# Altium PCB MainBoard_Layout_V2.PcbDoc (part 2 of 3) (continued)
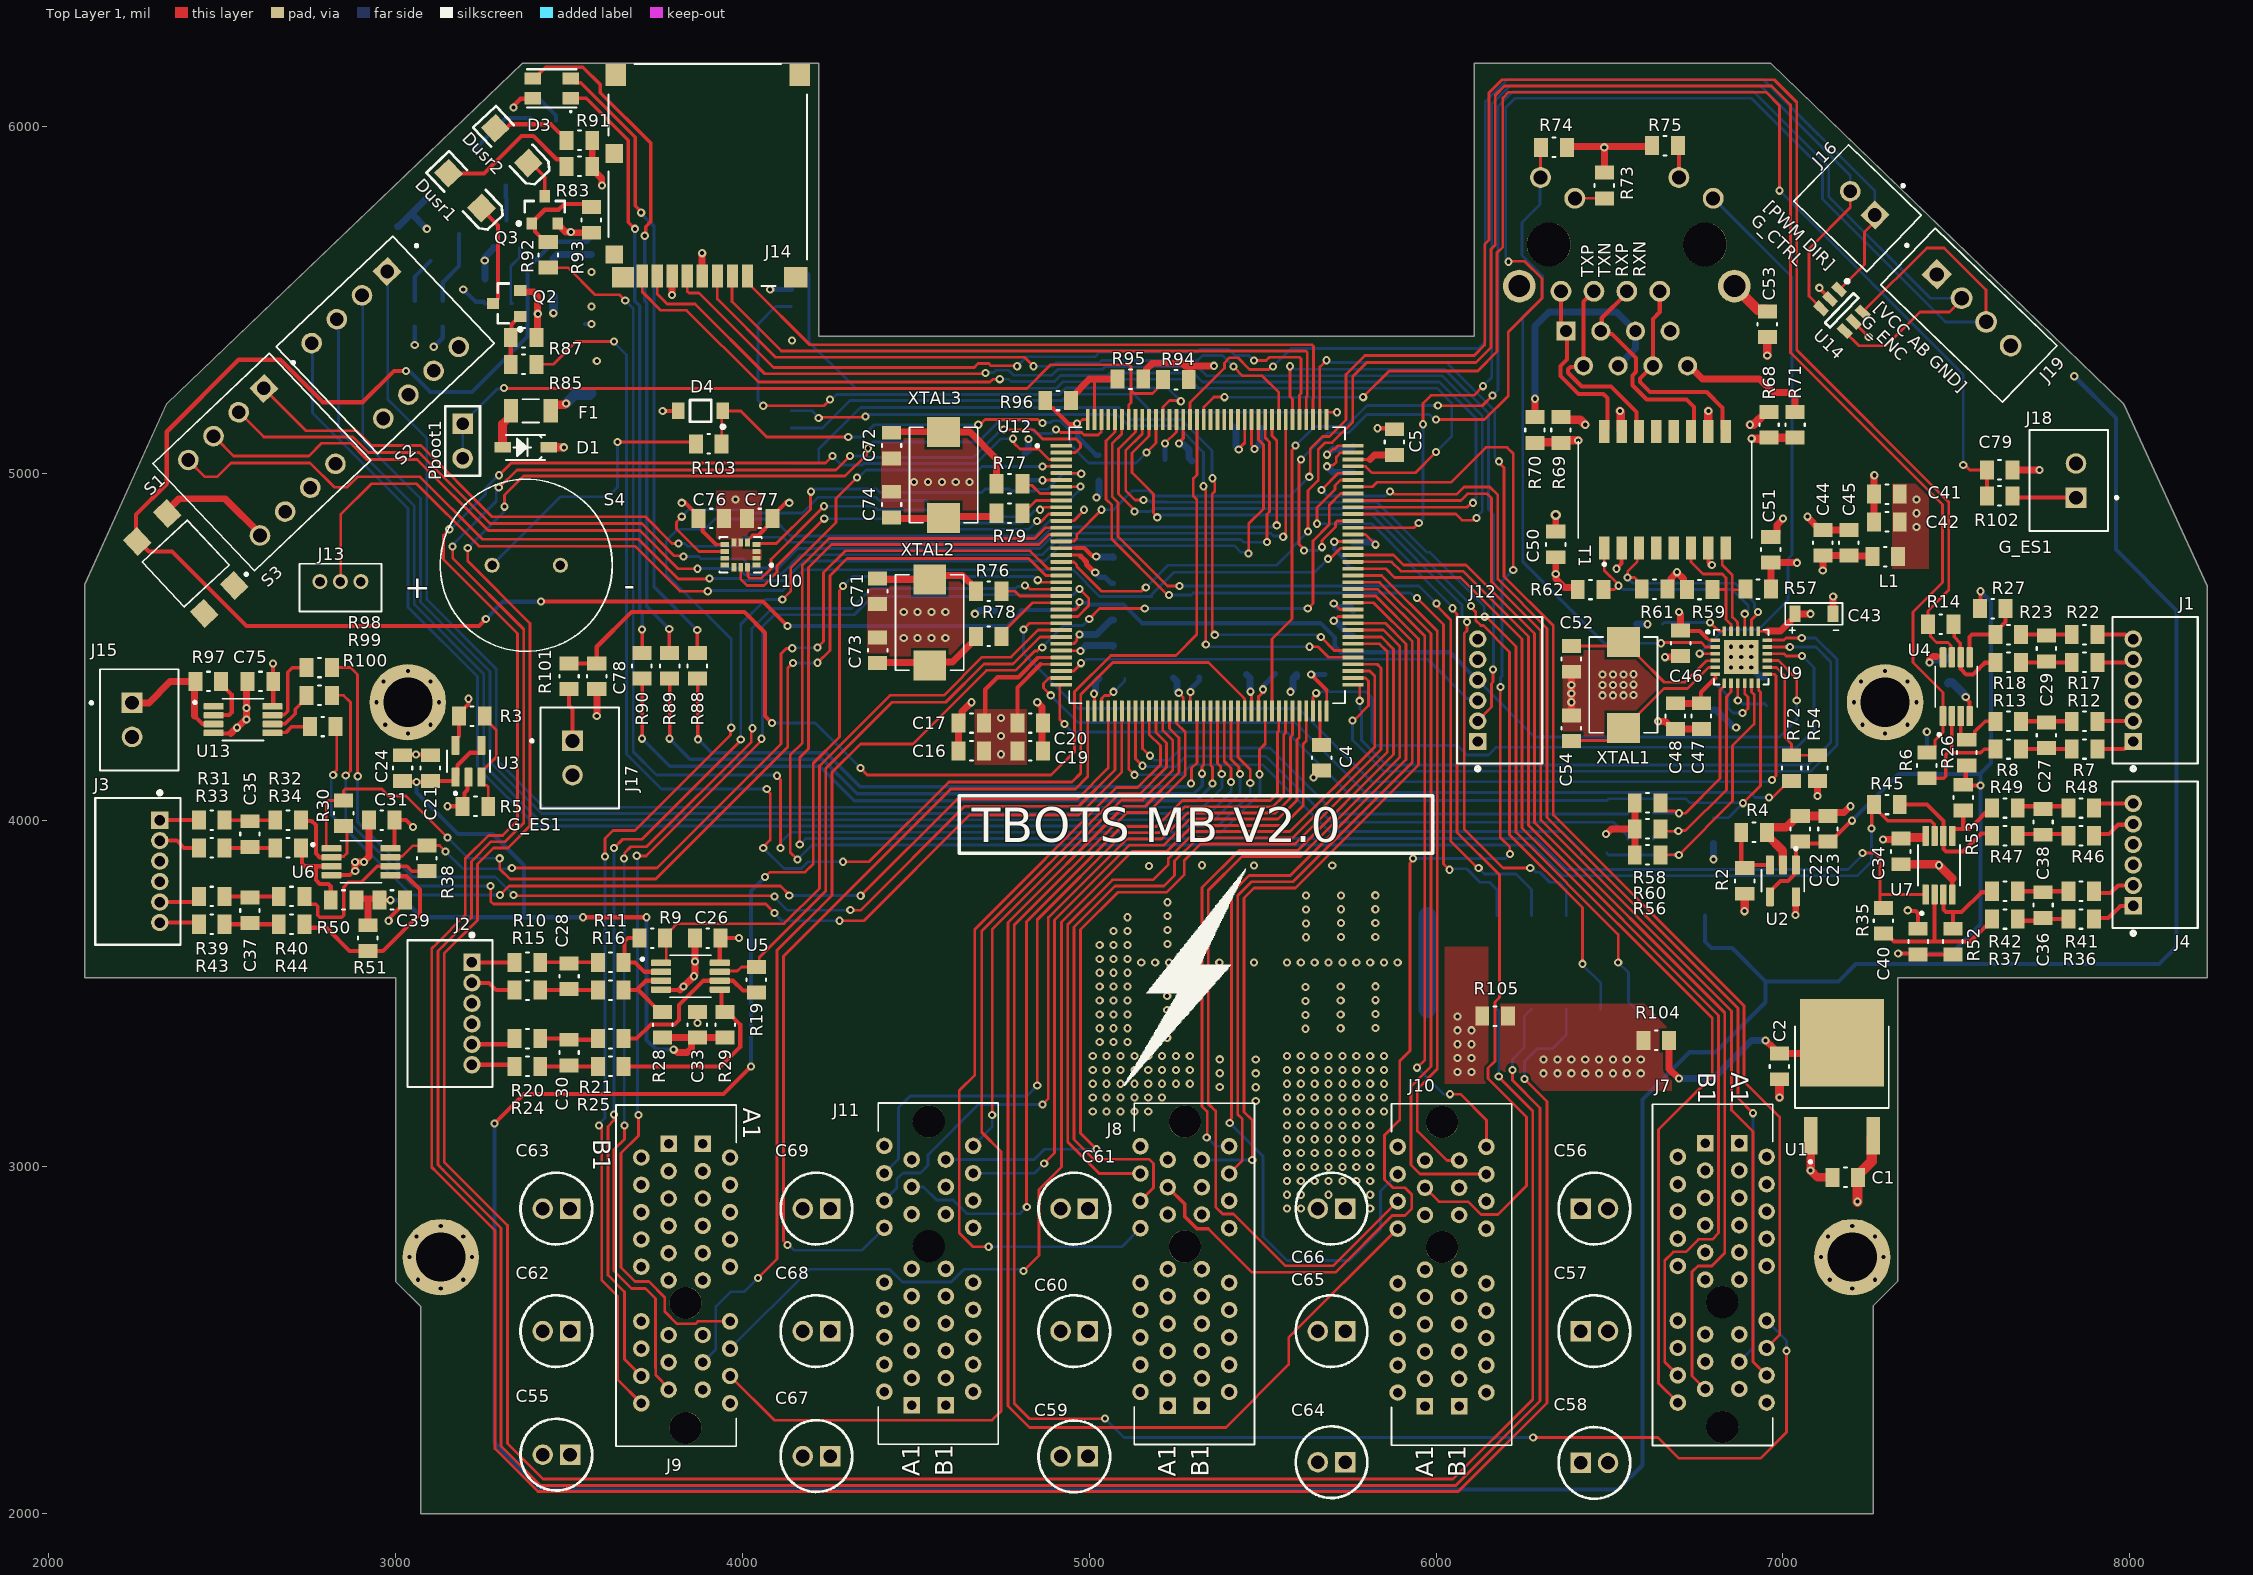
[diagram p0: Top Layer 1 view]
## Nets (pads, with @x,y where several pads share a name; then routed paths per layer and width w, separated by ;. In a path a pad name is that pad's centre, name@x,y a point inside that pad or via, vN(x,y) a via of type N, cw(c..) or ccw(c..) an arc to the next point about the centre after c; other vN are vias at no path point) (continued)
  other v2: 3580.1,5323.6 4143.25,5383.25 3564.34,5480.72 3564.34,5580.72
LA: J5.9 R74.1 U9.2 | length 1924
  Top Layer 1 w8: J5.9@6300.98,5852.91 6300.98,5937.98 R74.1@6303,5940 ; v2(6648.27,4510) 6650.21,4511.94 6764.78,4511.94 6777.19,4499.53 U9.2@6805.2,4499.53
  Bottom Layer 1 w8: J5.9@6300.98,5852.91 6300,5851.93 6300,5775 6248.01,5723.01 6248.01,5628.11 6306.69,5569.43 6306.69,5506.69 6250,5450 6250,4745 6485,4510 v2(6648.27,4510)
LAN_VDD1A: C43.1 C44.2 C45.2 C46.1 C50.2 C51.2 L1.2 R57.1 R59.1 R61.1 R62.1 T1.2 T1.7 U9.1 U9.19 | length 1064.6
  Top Layer 1 w8: 6780,4525 6785.36,4519.64 6804.77,4519.64 U9.1@6805.2,4519.21 ; U9.19@6929.21,4544.8 6954.8,4544.8 6955,4545
  Top Layer 1 w12: v2(6520,4725) 6535,4740 T1.2@6535,4785 ; v2(6700,4600) v2@6705,4595 ; C46.1@6705,4547 6707,4545 6760.11,4545 6760.11,4544.89 6780,4525 ; T1.7@6785,4785 6785,4743.03 6792.03,4736 v2(6795,4736)
  Top Layer 1 w20: C50.2@6345,4758 v2(6345,4710) 6345.77,4709.23 6345.77,4695.45 6370.12,4671.09 6402.31,4671.09 R62.1@6408.41,4665 ; R61.1@6667.09,4666.07 6677.09,4676.07 6677.09,4697.09 v2(6695,4715) 6695,4714.02 6713,4696.02 6713,4675 R59.1@6723,4665 ; C46.1@6705,4547 v2@6705,4595 ; 6955,4545 6992.64,4545 7034.76,4587.13 C43.1@7034.76,4595 v2(7080,4595) ; R57.1@6965.69,4666.18 6965.34,4666.53 6965.34,4742.66 C51.2@6965,4743 7038.46,4743 7039.45,4742.01 v2(7040.53,4742.01) ; v2(7115,4720) C44.2@7115,4763 C45.2@7190,4763 7191.5,4761.5 7256.5,4761.5 L1.2@7258,4760
LC: J5.10 R73.1 | length 85
  Top Layer 1 w8: J5.10@6400,5793.07 6484.93,5793.07 R73.1@6485,5793
NetC27_1: C27.1 R7.1 R8.2 | length 148.5
  Top Layer 1 w12: R8.2@7687,4205 7757,4205 C27.1@7760,4208 7763,4205 R7.1@7833,4205
NetC27_2: C27.2 R12.1 R13.2 | length 148.5
  Top Layer 1 w8: C27.2@7757,4285 C27.2@7760,4282 C27.2@7763,4285
  Top Layer 1 w12: R13.2@7687,4285 C27.2@7757,4285 ; C27.2@7763,4285 R12.1@7833,4285
NetC28_1: C28.1 R10.1 R11.2 | length 168.5
  Top Layer 1 w10: R10.1@3417,3590 3497,3590 C28.1@3500,3587 3503,3590 R11.2@3583,3590
NetC28_2: C28.2 R15.1 R16.2 | length 166
  Top Layer 1 w12: R15.1@3417,3510 R16.2@3583,3510
NetC29_1: C29.1 R17.1 R18.2 | length 148.5
  Top Layer 1 w12: R18.2@7687,4455 7757,4455 C29.1@7760,4458 7763,4455 R17.1@7833,4455
NetC29_2: C29.2 R22.1 R23.2 | length 148.5
  Top Layer 1 w12: R23.2@7687,4535 7757,4535 C29.2@7760,4532 7763,4535 R22.1@7833,4535
NetC30_1: C30.1 R20.1 R21.2 | length 176.9
  Top Layer 1 w12: R20.1@3417,3370 3487,3370 3497,3360 C30.1@3500,3357 ; C30.1@3503,3370 C30.1@3500,3367 3580,3367 R21.2@3583,3370
NetC30_2: C30.2 R24.1 R25.2 | length 160.2
  Top Layer 1 w12: R24.1@3417,3290 C30.2@3493,3290 ; C30.2@3500,3293 3503,3290 R25.2@3583,3290
NetC35_1: C35.1 R31.1 R32.2 | length 156
  Top Layer 1 w10: R31.1@2507,4000 R32.2@2653,4000 R32.2@2663,4000
NetC35_2: C35.2 R33.1 R34.2 | length 152.7
  Top Layer 1 w12: R33.1@2510,3923 R33.1@2507,3920 2577,3920 C35.2@2580,3923 2583,3920 R34.2@2653,3920
NetC36_1: C36.1 R36.1 R37.2 | length 152.6
  Top Layer 1 w12: R37.2@7677,3715 7682,3710 7742,3710 C36.1@7750,3718 7753,3715 R36.1@7823,3715
NetC36_2: C36.2 R41.1 R42.2 | length 148.5
  Top Layer 1 w12: R42.2@7677,3795 7747,3795 C36.2@7750,3792 7753,3795 R41.1@7823,3795
NetC37_1: C37.1 R39.1 R40.2 | length 158.5
  Top Layer 1 w12: R39.1@2507,3780 2577,3780 C37.1@2580,3777 2583,3780 R40.2@2663,3780
NetC37_2: C37.2 R43.1 R44.2 | length 158.5
  Top Layer 1 w12: R43.1@2507,3700 2577,3700 C37.2@2580,3703 2583,3700 R44.2@2663,3700
NetC38_1: C38.1 R46.1 R47.2 | length 148.5
  Top Layer 1 w12: R47.2@7677,3960 7747,3960 7750,3963 7753,3960 R46.1@7823,3960
NetC38_2: C38.2 R48.1 R49.2 | length 146
  Top Layer 1 w12: R49.2@7677,4040 7750,4040 R48.1@7823,4040
NetC47_2: C47.2 C48.2 U9.6 | length 174.7
  Top Layer 1 w8: 6805,4410 6805,4420.59 U9.6@6805.2,4420.79
  Top Layer 1 w12: C47.2@6763.78,4337 6763.78,4368.78 6805,4410
  Top Layer 1 w20: C48.2@6690,4337 C47.2@6763.78,4337
NetC52_2: C52.2 U9.4 XTAL1.2 | length 495.7
  Top Layer 1 w8: C52.2@6390,4502 6527.98,4502 XTAL1.2@6540,4514.02 6543.94,4514.02 6583.24,4474.71 6583.24,4472.33 6657.99,4397.58 6717.45,4397.58 6779.65,4459.79 6804.83,4459.79 U9.4@6805.2,4460.16
NetC53_2: C53.2 R68.2 R69.2 R70.2 R71.2 | length 1092.2
  Top Layer 1 w25: R70.2@6293,5090 6362,5090 R69.2@6360,5088 6367,5095 v2(6410,5095) ; v2(6910,5100) 6957,5100 R68.2@6960,5103 7029,5103 7032,5100 R71.2@7035,5103 R71.2@7042.5,5103 ; v2(6955,5340) C53.2@6955,5393
  Bottom Layer w25: v2(6410,5095) 6411.81,5096.81 6906.81,5096.81 v2(6910,5100) 6940,5100 6955,5115 v2(6955,5340)
NetC54_2: C54.2 U9.5 XTAL1.1 | length 499.6
  Top Layer 1 w8: C54.2@6390,4228 6392,4230 6504.02,4230 XTAL1.1@6540,4265.98 ; XTAL1.1@6543.94,4265.98 6583.24,4305.29 6583.24,4305.84 6656.98,4379.58 6724.9,4379.58 6785.42,4440.1 6804.83,4440.1 U9.5@6805.2,4440.47
NetC70_2: C70.2 J12.4 S1.4 U9.15 U11.31 U12.25 | length 7539.9
  Top Layer 1 w8: U12.25@4919.53,4607.05 4919.67,4607.19 4961.73,4607.19 4969.17,4614.63 4969.17,4625.94 v1(4972.24,4629.01) ; U9.15@6954.8,4460.16 6986.86,4460.16 7040,4407.01 v2(7040,4345)
  Top Layer 1 w12: S1.4@2251.8,4808.2 2252.46,4808.86 2252.46,4838.09 2251.8,4838.75 2251.8,4881.8 2340,4970 2340,5120 2547.5,5327.5 2667.5,5327.5 2790,5205 2905,5205 2995,5295 v2(3030,5295) ; S1.4@2255.15,4803.38 2259.78,4803.38 2288.16,4775 2355,4775 2570,4560 3240,4560 v1(3260,4580) ; v1(3419.17,4630.27) 4059.73,4630.27 v3(4130,4560)
  Bottom Layer 1 w8: J12.4@6120,4404.06 6284.06,4240 6990,4240 7040,4290 v2(7040,4345)
  Bottom Layer 1 w12: v2@3028.8,5295 3031.1,5292.7 3042.3,5292.7 3100,5235 3220,5235 3380,5395 3380,5591.38 3456.41,5667.79 3551.41,5667.79 U11.31@3564.34,5680.72 ; v1(3260,4580) 3310,4630 3418.89,4630 v1(3419.17,4630.27) ; v3(4130,4560) 4764.5,4560 4802,4597.5 C70.2@4802,4605 4802.89,4605.89 4954.97,4605.89 4964.47,4615.4 4964.47,4616.91 4972.24,4624.68 v1@4972.24,4628.22 ; v1(4972.24,4629.01) v1@4972.24,4628.22 ; J12.4@6115,4404.06 6115,4409.06 6040,4484.06 5725.94,4484.06 5707.97,4502.03 5707.97,4527.03 5667,4568 5152,4568 5098.39,4621.61 5000.12,4621.61 4995.72,4626.02 4983.44,4626.02 4982.68,4626.78 4973.67,4626.78 v1@4972.24,4628.22
NetD1_A: D1.A F1.2 | length 110.2
  Top Layer 1 w25: D1.A@3308,5080 3308,5142.29 3332.52,5166.81 F1.2@3332.52,5180
NetD3_1: D3.1 R90.2 | length 1711.1
  Top Layer 1 w10: D3.1@3505.12,6081.46 3549.65,6081.46 3670.46,5960.65 3670.46,5724.54 v1(3690,5705) ; R90.2@3710,4482 3710.81,4482.81 v3(3710.81,4550)
  Bottom Layer 1 w10: v1(3690,5705) 3690,5496.87 3704,5482.87 3704,4607.72 3710.81,4600.91 v3(3710.81,4550)
NetD3_3: D3.3 R89.2 | length 1986.2
  Top Layer 1 w10: D3.3@3394.88,6138.54 3400.79,6138.54 3413.5,6151.26 3413.5,6152.21 3432.55,6171.26 3539.67,6171.26 3589.73,6121.2 3589.73,6097.95 3735,5952.68 3735,5724.98 3720.8,5710.77 3720.8,5687.61 v1(3718.19,5685) ; v3(3788.91,4551.09) 3788.91,4483.09 R89.2@3790,4482 3792,4482 R89.2@3805,4495
  Bottom Layer 1 w10: v1(3718.19,5685) 3718.19,5496.96 3724,5491.15 3724,4616 v3(3788.91,4551.09)
NetD3_4: D3.4 R88.2 | length 1819.4
  Top Layer 1 w10: D3.4@3505.12,6138.54 3517.83,6125.83 3533.57,6125.83 3557.94,6101.46 3690.46,5968.93 3690.46,5771.75 3708,5754.21 v1(3708,5751.57) ; v3(3869.77,4548.2) 3869.77,4482.23 R88.2@3870,4482
  Bottom Layer 1 w10: v1(3708,5751.57) 3708,5749 3745,5712 3745,4672.97 v3@3871.51,4546.46
NetD4_1: D4.1 R103.2 U12.134 | length 1539
  Top Layer 1 w8: R103.2@3940,5085 3940,5176.26 D4.1@3943.74,5180 3995,5180 4070,5105 v1(4305,5105) ; v1(4680,5140) 4684.23,5140 4699.23,5155 4852.5,5155 4862.5,5145 v1(4865,5145) ; v1(5165,5060) 5192.19,5087.19 U12.134@5192.19,5125.36
  Bottom Layer 1 w8: v1(4305,5105) 4345,5105 4380,5140 v1(4680,5140) ; v1(4865,5145) 4866.91,5146.91 4888.81,5146.91 4893.71,5151.81 4915.09,5151.81 4945.06,5121.84 4945.06,5082.64 4997.7,5030 5135,5030 v1(5165,5060)
NetDled1_1: Dled1.1 R1.1 | length 211.4
  Bottom Layer 1 w12: R1.1@3135.86,5497.86 3135.86,5550.86 3182.43,5597.43 Dled1.1@3182.43,5690.02
NetDled2_1: Dled2.1 R81.1 | length 204.8
  Bottom Layer 1 w12: Dled2.1@3222.57,5929.98 3317.6,6025 R81.1@3388,6025
NetDled2_2: Dled2.2 Q1.3 | length 101.7
  Bottom Layer 1 w12: Dled2.2@3317.43,5830.02 3317.43,5795.67 3320,5793.1 Q1.3@3320,5729.37
NetDled3_1: Dled3.1 R82.1 | length 134
  Bottom Layer 1 w12: R82.1@3055,5497 3055,5566.48 Dled3.1@3100.64,5612.11
NetDusr1_1: Dusr1.1 R83.2 | length 425.9
  Top Layer 1 w12: Dusr1.1@3152.57,5864.98 3254.98,5864.98 3362.98,5972.98 3397.02,5972.98 3464.52,5905.48 3479,5905.48 3494.13,5890.35 R83.2@3494.13,5885
NetDusr1_2: Dusr1.2 Q2.3 | length 301.8
  Top Layer 1 w12: Dusr1.2@3247.43,5765.02 3247.43,5762.57 3295,5715 3295,5504.37 3292.35,5501.72 3292.35,5499.75 3282.6,5490 Q2.3@3280.63,5490
NetDusr2_1: Dusr2.1 R91.2 | length 233.7
  Top Layer 1 w12: Dusr2.1@3287.57,5994.98 3318.99,5994.98 3330.35,6006.34 3448.16,6006.34 3472.99,5981.5 3479,5981.5 3493,5967.5 R91.2@3493,5960
NetDusr2_2: Dusr2.2 Q3.3 | length 109
  Top Layer 1 w10: Dusr2.2@3388.72,5896.28 3430,5855 Q3.3@3430,5804.37
NetF1_1: F1.1 U11.22 | length 140.8
  Top Layer 1 w25: F1.1@3447.48,5180 3447.48,5189.35 3455.65,5197.52 3487.52,5197.52 v2(3491.74,5201.74)
  Bottom Layer 1 w30: v2@3493.62,5203.62 3493.62,5203.82 3516.59,5226.79 3560.41,5226.79 U11.22@3564.34,5230.72
NetJ5_4: J5.4 J5.5 R70.1 | length 713.1
  Top Layer 1 w20: R70.1@6285,5162 v2(6285,5215)
  Bottom Layer 1 w20: v2(6285,5215) 6285,5425 6325,5465 6520,5465 J5.5@6575,5410 6575,5360 J5.4@6525,5310
NetJ5_8: J5.8 R71.1 | length 390.7
  Top Layer 1 w20: J5.8@6725,5310 6730.35,5310 6768.35,5272 6933,5272 6972.5,5232.5 7023.28,5232.5 7035,5220.78 R71.1@7035,5177
NetJ6_21: J6.21 U12.142 | length 9202.4
  Top Layer 1 w8: v1(3207.91,4785.04) 3207.91,4747.09 3387.39,4567.61 3387.39,3983.89 3323.5,3920 3282.7,3920 3236.43,3873.72 3236.43,3711.43 3140,3615 3140,3014 3322.2,2831.8 3322.2,2202.8 3425,2100 6049.09,2100 6278.85,2329.77 6278.85,3161.15 6180.75,3259.25 v2(6180.75,3260.75) ; v1(3313.79,4903.95) 3313.79,4937.02 3368.77,4992 4295.74,4992 4358.62,5054.88 4358.62,5069.33 v1(4361.61,5072.32) ; v1(4904.4,5126) 4908.73,5126 4917.06,5117.67 4978.1,5117.67 4985.01,5110.76 5025.7,5110.76 5034.71,5119.77 5034.71,5155.3 U12.142@5034.88,5155.47
  Bottom Layer 1 w8: v1(3207.91,4785.04) 3310.73,4887.87 3310.73,4900.89 v1(3313.79,4903.95) ; v1(4361.61,5072.32) 4361.61,5074.87 4376.74,5090 4680,5090 4741.83,5151.83 4808.17,5151.83 4845,5115 4891.9,5115 4902.9,5126 v1(4904.4,5126) ; J6.21@6175,3455 6180.75,3449.25 v2(6180.75,3260.75)
NetJ6_22: J6.22 U12.140 | length 2378.1
  Top Layer 1 w8: U12.140@5074.25,5155.47 5074.08,5155.3 5074.08,5119.77 5048,5093.69 5048,4925.32 5065,4908.32 5065,4810 5226,4649 v1(5230,4649) ; v2(5945.16,4640.22) 6021.47,4563.91 6021.47,3874.12 6038.36,3857.22 v2(6038.36,3857.07)
  Bottom Layer 1 w8: v1(5230,4649) 5294,4649 5300,4655 5926.05,4655 5940.64,4640.41 5944.97,4640.41 v2(5945.16,4640.22) ; v2(6038.36,3857.07) 6041.09,3859.79 6088.35,3859.79 6127.15,3821 6154,3821 6175,3800 J6.22@6175,3725
NetJ6_23: J6.23 U12.2 | length 9273.9
  Top Layer 1 w8: v1(3164,4789.34) 3165,4788.34 3165,4755 3369.39,4550.61 3369.39,3991.35 3316.05,3938 3275.25,3938 3218.43,3881.18 3218.43,3718.88 3137,3637.46 3122,3622.46 3122,3006.55 3137,2991.55 3304.2,2824.34 3304.2,2195.34 3417.54,2082 6056.54,2082 6300,2325.46 6300,3170 6220,3250 v2(6220,3280) ; v1(3297.47,4958.78) 3298.51,4958.78 3349.73,5010 4270,5010 v4(4310,5050) ; v2(4753.69,5126.02) 4838.99,5126.02 4866,5099 4961.31,5099 4975,5085.31 4975,5074.69 4960.29,5059.98 4919.7,5059.98 U12.2@4919.53,5059.8
  Bottom Layer 1 w8: v1(3164,4789.34) 3164,4793.47 3290,4919.47 3290,4946.98 3297.47,4954.45 v1(3297.47,4958.78) ; v4(4310,5050) 4343.86,5050 4347.86,5046 4666,5046 4742.96,5122.96 4750.63,5122.96 v2(4753.69,5126.02) ; v2(6220,3280) 6220,3310 6254,3344 6254,3434 J6.23@6275,3455
NetJ6_24: J6.24 U12.139 | length 2422.8
  Top Layer 1 w8: U12.139@5093.94,5155.47 5093.76,5155.3 5093.76,5114 5066,5086.24 5066,4932.77 5083,4915.77 5083,4817.46 5225.46,4675 v1(5260,4675) ; v2(6000.93,4625) 6000.93,4620.67 6006.94,4614.67 6006.94,4613.06 6042,4578 6042,3939.57 6119.39,3862.17 v2(6122.74,3862.17)
  Bottom Layer 1 w8: v1(5260,4675) 5950.93,4675 v2(6000.93,4625) ; v2(6122.74,3862.17) 6122.74,3861.77 6139.51,3845 6230,3845 6275,3800 J6.24@6275,3725
NetJ6_25: J6.25 U12.3 | length 9312.7
  Top Layer 1 w8: v1(3154.57,4838.57) 3154.57,4837.77 3138,4821.2 3138,4752 3351.39,4538.61 3351.39,3998.8 3308.59,3956 3267.79,3956 3200.43,3888.64 3200.43,3726.34 3119,3644.91 3104,3629.91 3104,2999.09 3119,2984.09 3286.2,2816.89 3286.2,2187.88 3410.09,2064 6064,2064 6320,2320 6320,3188.69 v2(6254.93,3253.76) ; v1(3297.64,4994.41) 3333.23,5030 4239.66,5030 v2(4259.5,5049.83) ; v2(4780,5100.02) 4780,5095.79 4783.83,5091.96 4783.83,5086.17 4800,5070 4854.12,5070 4883.83,5040.29 4919.35,5040.29 U12.3@4919.53,5040.12
  Bottom Layer 1 w8: v1(3154.57,4838.57) 3158.57,4838.57 3260,4940 3260,4958.08 3296.33,4994.41 v1(3297.64,4994.41) ; v2(4259.5,5049.83) 4285.14,5024.19 4345.49,5024.19 4349.3,5028 4673.46,5028 4745.47,5100.02 v2(4780,5100.02) ; v2(6254.93,3253.76) 6254.93,3304.93 6291,3341 6336,3341 6375,3380 J6.25@6375,3455
NetJ6_26: J6.26 U12.135 | length 2419.4
  Top Layer 1 w8: U12.135@5172.68,5155.47 5172.5,5155.3 5172.5,5108.23 5123,5058.73 5123,5002 5185,4940 5185,4885.69 5196.02,4874.66 v1(5196.02,4873.19) ; v1(6088.78,4571.83) 6088.78,4546.1 6081,4538.32 6081,3974 6193.06,3861.94 v2(6271.56,3861.94)
  Bottom Layer 1 w8: v1(5196.02,4873.19) 5200.25,4873.19 5207.06,4880 5645.32,4880 5645.93,4880.61 5814.84,4880.61 6074.8,4620.65 6074.8,4590.04 6088.78,4576.05 v1(6088.78,4571.83) ; v2(6271.56,3861.94) 6275.78,3861.94 6287.82,3849.91 6298.85,3849.91 6327.76,3821 6354,3821 6375,3800 J6.26@6375,3725
NetJ6_27: J6.27 U12.137 | length 2719.3
  Top Layer 1 w8: v1(5130,4890) 5130,4894.23 5084,4940.23 5084,5070.64 5133.13,5119.77 5133.13,5155.3 U12.137@5133.31,5155.47 ; v2(6101.06,4617.22) 6101.06,4613 6114.26,4599.8 6114.26,4575.99 6129.08,4561.17 6136.15,4561.17 6212.07,4485.25 6212.07,3957.93 6422.07,3747.93 v2(6422.07,3585.84)
  Bottom Layer 1 w8: v1(5130,4890) 5176.33,4890 5185.33,4899 5215.09,4899 5215.47,4898.61 5822.3,4898.61 6101.06,4619.85 v2(6101.06,4617.22) ; v2(6422.07,3585.84) 6422.07,3582.93 6475,3530 J6.27@6475,3455
NetJ6_29: J6.29 U12.136 | length 2741.5
  Top Layer 1 w8: U12.136@5152.99,5155.47 5152.99,5128.94 5152.82,5128.76 5152.82,5114 5105,5066.18 5105,4950 5131.86,4923.14 v1(5156.56,4923.14) ; v1(6140.07,4586.68) 6143.78,4586.68 6230.07,4500.39 6230.07,3965.39 6525,3670.46 v2(6525,3590)
  Bottom Layer 1 w8: v1(5156.56,4923.14) 5159.55,4920.15 5174.4,4920.15 5177.54,4917 5222.54,4917 5222.93,4916.61 5586.07,4916.61 5829.75,4916.61 5974.07,4772.29 5982.71,4772.29 6139.2,4615.8 6139.2,4587.55 v1(6140.07,4586.68) ; v2(6525,3590) 6554.51,3560.49 6554.51,3475.49 J6.29@6575,3455
NetJ6_34: J6.34 R84.2 U12.21 | length 19550.4
  Top Layer 1 w8: v3(4065,3836) 4079,3850 4180,3850 4204.06,3874.06 4204.06,4164.06 4280,4240 4280,4662.31 4290,4672.31 v3(4290,4675) ; v1(4851.58,4691.91) 4855.81,4691.91 4861.94,4685.79 U12.21@4919.53,4685.79
  Top Layer 1 w12: v2(3285,3125) 3370,3210 3945,3210 v2(4025,3290)
  Bottom Layer w16: v2(3195,5530) 2990,5735 2990,5800 3370,6165 4175,6165 4205,6135 4205,5389.37 4214.37,5380 6115.63,5380 6125,5389.37 6125,6155.63 6134.37,6165 6965.17,6165 6969.82,6160.5 7838.47,5320 7838.47,5281.53 v2(7840,5280)
  Bottom Layer 1 w8: v3(4290,4675) 4317.31,4702.31 4839.09,4702.31 4849.49,4691.91 v1(4851.58,4691.91)
  Bottom Layer 1 w12: v2(3195,5530) 3230,5495 3253,5495 R84.2@3258,5490 ; v2(3285,3125) 3285,2205 3420,2070 6525,2070 6595,2140 6595,3195 6730.93,3330.93 6805.93,3330.93 6950,3475 6950,3535 ; v2(4025,3290) 4025,3796 v3(4065,3836) ; J6.34@6775,3725 6775,3650 6794,3631 6854,3631 6950,3535 ; v2(7840,5280) 7960,5160 7960,4780 8135,4605 8135,3635 8085,3585 7210,3585 7160,3535 6950,3535
NetJ7_A12: J7.A12 U12.50 | length 4916.1
  Top Layer 1 w8: v2(5045,2275) 5044,2274 4828.1,2274 4783.43,2318.67 4783.43,3697.08 5108.35,4022 5168.94,4022 5277,4130.06 5277,4253.42 5251.59,4278.83 5251.59,4314.35 U12.50@5251.42,4314.53 ; v2(6280,2220) 6640,2220 6700,2160 6935,2160 7010,2235 v2(7010,2470)
  Bottom Layer 1 w8: v2(5045,2275) 5100,2220 v2(6280,2220) ; J7.A12@6952.95,2556.85 7010,2499.8 v2(7010,2470)
NetJ7_A14: J7.A14 U12.110 | length 3788.4
  Top Layer 1 w8: U12.110@5664.8,5155.47 5664.8,5306.8 v2(5684,5326) ; v2(6181.38,5034.62) 6181.38,5030.67 6196,5016.06 6196,4702.53 6338.07,4560.46 6338.07,4015.14 6888.17,3465.04 6888.17,3246.83 6990.73,3144.27 6990.73,2515.89 6963.11,2488.27 6963.11,2478.11 J7.A14@6952.95,2478.11
  Bottom Layer 1 w8: v2(5684,5326) 5688.33,5326 5694.33,5320 6030,5320 6168.83,5181.17 6168.83,5047.69 6181.38,5035.13 v2(6181.38,5034.62)
NetJ7_A15: J7.A15 U12.104 | length 3473.8
  Top Layer 1 w8: v1(5669.55,4952.01) 5669.55,4952.36 5717.76,5000.57 5760.3,5000.57 U12.104@5760.47,5000.75 ; v2(5867.27,4948.01) 5871.6,4948.01 5879.6,4940.01 6059.78,4940.01 6080.36,4960.6 6154.86,4960.6 6178,4937.46 6178,4695.07 6320.07,4553 6320.07,4007.68 6870.17,3457.58 6870.17,3198.71 v2(6913.79,3155.09)
  Bottom Layer 1 w8: v1(5669.55,4952.01) 5686.94,4934.61 5853.88,4934.61 v2(5867.27,4948.01) ; J7.A15@6874.21,2438.74 6913.79,2478.31 v2(6913.79,3155.09)
NetJ7_A16: J7.A16 U12.100 | length 3270.1
  Top Layer 1 w8: U12.100@5760.47,4922.01 6071.95,4922.01 6090.94,4941 6147.38,4941 6160,4928.38 6160,4687.61 6302.07,4545.55 6302.07,4000.23 6852.17,3450.13 6852.17,3163.81 6913.79,3102.19 6913.79,2438.54 J7.A16@6952.95,2399.37
NetJ7_B16: J7.B16 U12.91 | length 3076.1
  Top Layer 1 w8: U12.91@5760.47,4744.84 5871.46,4744.84 5898.3,4718 6077.46,4718 6266.07,4529.39 6266.07,3985.32 6814.28,3437.11 6814.28,2809.28 6796.48,2791.48 6756.48,2791.48 6720.29,2755.29 6684.58,2755.29 6659.27,2729.98 6659.27,2437.15 J7.B16@6697.05,2399.37
NetJ7_B17: J7.B17 U12.92 | length 3100.7
  Top Layer 1 w8: U12.92@5760.47,4764.53 5877.23,4764.53 5905.76,4736 6086.16,4736 6284.07,4538.09 6284.07,3992.77 6832.28,3444.56 6832.28,2752.28 6794.8,2714.8 6754.8,2714.8 6738.01,2698.01 6738.01,2397.78 J7.B17@6775.79,2360
NetJ7_B18: J7.B18 U12.90 | length 3087.5
  Top Layer 1 w8: U12.90@5760.47,4725.16 5855,4725.16 5880.16,4700 6070,4700 6248.07,4521.93 6248.07,3977.86 6796.28,3429.65 6796.28,3262.7 6641.27,3107.7 6641.27,2376.41 J7.B18@6697.05,2320.63
NetJ8_A12: J8.A12 U12.46 | length 2355
  Top Layer 1 w8: v2(4710,2770) 4665,2770 4625,2810 4625,3220 4670,3265 4670,3685.47 5078.53,4094 5139.12,4094 5205,4159.88 5205,4215 5172.68,4247.32 U12.46@5172.68,4314.53
  Bottom Layer 1 w8: v2(4710,2770) 5093.94,2770 J8.A12@5147.6,2823.66
NetJ8_A14: J8.A14 U12.76 | length 2438.9
  Top Layer 1 w8: J8.A14@5147.6,2902.4 5147.6,2909.04 5154.24,2909.04 5185.38,2940.18 5185.38,3009.93 5173.21,3022.1 5013.35,3022.1 4956,3079.46 4956,3691.46 5074.54,3810 5215,3810 5246,3841 5246,3881.8 5313.2,3949 5586.26,3949 5841.47,4204.21 5841.47,4438.53 5830.43,4449.57 U12.76@5760.47,4449.57
NetJ8_A15: J8.A15 U12.102 | length 3981.5
  Top Layer 1 w8: 5342.49,2822.51 5468.75,2696.25 5710,2696.25 5873.75,2860 5910,2860 5930,2880 5930,2919.99 5909.99,2940 5875.3,2940 5851.43,2963.86 5851.43,3091.43 5895,3135 5895,3305 5925,3335 5925,3876.89 5933.44,3885.33 v6(5933.44,3889.58) ; U12.102@5760.47,4961.38 5816.38,4961.38 5829.01,4974.01 6042.5,4974.01 6143.49,5075 6205,5075 6222.41,5057.59 v2(6222.41,4721.6) ; v1(6186.07,4383.58) 6185,4382.51 6185,3950 6212.72,3922.28 v2(6212.72,3902.28)
  Top Layer 1 w10: J8.A15@5226.34,2941.77 5275.96,2892.16 5275.96,2857 5310.45,2822.51 5342.49,2822.51
  Bottom Layer 1 w8: v6(5933.44,3889.58) 6200.01,3889.58 v2(6212.72,3902.28) ; v1(6186.07,4383.58) 6186.07,4411.07 6190,4415 6190,4689.19 v2(6222.41,4721.6)
NetJ8_A16: J8.A16 U12.75 | length 2254.4
  Top Layer 1 w8: J8.A16@5147.6,2981.14 5028.86,2981.14 4938,3072 4938,3698.91 5067.09,3828 5183.58,3828 5228,3872.42 5228,3889.25 5305.75,3967 5578.81,3967 5823.47,4211.66 5823.47,4415 5808.59,4429.88 U12.75@5760.47,4429.88
NetJ8_B16: J8.B16 U12.85 | length 2050.8
  Top Layer 1 w8: J8.B16@5403.51,2981.14 5441.29,3018.92 5441.29,3138.26 5428,3151.54 5428,3782.54 5467.83,3822.37 5586.91,3822.37 5931.47,4166.93 5931.47,4515.31 5820.05,4626.73 U12.85@5760.47,4626.73
NetJ8_B17: J8.B17 U12.86 | length 2176.7
  Top Layer 1 w8: v2(5470,3020) 5470,3135 5446,3159 5446,3775.09 5475.28,3804.37 5594.37,3804.37 5949.47,4159.47 5949.47,4522.77 5826,4646.24 5760.65,4646.24 U12.86@5760.47,4646.42
  Bottom Layer 1 w8: J8.B17@5324.77,3020.51 5325.28,3020 v2(5470,3020)
NetJ8_B18: J8.B18 U12.80 | length 1949.3
  Top Layer 1 w8: v2(5338.59,3085) 5340,3086.41 5340,3160 5325.06,3174.94 5325.06,3805.52 5432.54,3913 5601.18,3913 5877.47,4189.3 5877.47,4492.95 5842.29,4528.13 5760.65,4528.13 U12.80@5760.47,4528.31
  Bottom Layer 1 w8: v2(5338.59,3085) 5340,3085 5365.12,3059.88 J8.B18@5403.51,3059.88
NetJ9_A12: J9.A12 U12.26 | length 3554.8
  Top Layer 1 w8: v3(3695.28,3897.3) 3695.58,3897 3722.44,3897 4055.21,4229.76 v3(4055.21,4234.7) ; v2(3700,3150) 3700,3090 3650,3040 3650,2710 3690,2670 3730,2670 3776,2624 3776,2583.07 3811.3,2547.77 3864.3,2547.77 3871.41,2554.88 J9.A12@3964.21,2554.88 ; U12.26@4919.53,4587.36 4967.36,4587.36 4998.24,4618.24 4998.24,4640.15 v1(4972.24,4666.15)
  Bottom Layer 1 w8: v3(3695.28,3897.3) 3697.64,3894.94 3697.64,3152.36 v2(3700,3150) ; v3(4055.21,4234.7) 4058,4237.5 4058,4558 4092.22,4592.22 4322.22,4592.22 4375,4645 4685,4645 4690,4650 4954.45,4650 4970.6,4666.15 v1(4972.24,4666.15)
NetJ9_A14: J9.A14 U12.69 | length 3136.5
  Top Layer 1 w8: v2(4810,2700) 4855,2745 4855,2935 4920,3000 4920,3706.37 5123.63,3910 5223.29,3910 5298.29,3985 5560,3985 5616.83,4041.83 5616.83,4220 5625.43,4228.6 U12.69@5625.43,4314.53
  Bottom Layer 1 w8: J9.A14@3964.21,2476.14 4192.89,2704.82 4424.81,2704.82 4461,2668.63 4601.98,2668.63 4638.17,2704.82 4800.85,2704.82 4805.67,2700 v2(4810,2700)
NetJ9_A15: J9.A15 U12.101 | length 3854.1
  Top Layer 1 w8: v2(4045,2680) 4100,2735 4100,3625 4258.06,3783.06 4258.06,4138.06 4340,4220 4491.8,4220 4703.8,4432 4787.46,4432 4842.84,4487.38 4849.82,4487.38 4860.18,4497.74 v1(4864.51,4497.74) ; v1(5000,4580) 5030,4610 v1(5160,4610) ; v1(5630,4610) 5645,4625 5645,4805.46 5692,4852.46 5692,4908.75 5724.77,4941.52 5760.3,4941.52 U12.101@5760.47,4941.69
  Bottom Layer 1 w8: J9.A15@3885.47,2436.77 3923.25,2474.55 3923.25,2598.25 3965,2640 4005,2640 v2(4045,2680) ; v1(4864.51,4497.74) 4864.51,4499.51 4926.58,4561.58 4981.58,4561.58 v1(5000,4580) ; v1(5160,4610) v1(5630,4610)
NetJ9_A16: J9.A16 U12.47 | length 3155.7
  Top Layer 1 w8: J9.A16@3964.21,2397.4 4091.61,2270 4720,2270 4745.68,2295.68 4745.68,2800.77 4745.46,2800.98 4745.46,3044.63 4690,3100.09 4690,3680.01 5085.99,4076 5146.57,4076 5223,4152.43 5223,4222.46 5192.36,4253.09 U12.47@5192.36,4314.53
NetJ9_B16: J9.B16 U12.4 | length 3591.4
  Top Layer 1 w8: v2(3629.33,3151.35) 3628.65,3150.67 3628.65,3133.65 3612,3117 3612,2688 3660,2640 3660,2445.71 J9.B16@3708.31,2397.4 ; v3(3630,3920) 3655,3945 3710,3945 3995,4230 v3(3995,4232.32) ; v3(4115,4636.22) 4139.57,4660.78 4139.57,4728 4246.56,4835 4270,4858.44 4270,4927.58 v2(4330.42,4988) ; v1(4864.94,5020.07) 4865.14,5020.26 4919.35,5020.26 U12.4@4919.53,5020.43
  Bottom Layer 1 w8: v2(3629.33,3151.35) 3629.33,3919.33 v3(3630,3920) ; v3(3995,4232.32) 3995,4565 4066.22,4636.22 v3(4115,4636.22) ; v2(4330.42,4988) 4334.65,4988 4341.32,4994.67 4341.43,4994.67 4356.75,5010 4680.91,5010 4690.91,5020 4864.88,5020 v1(4864.94,5020.07)
NetJ9_B17: J9.B17 U12.22 | length 3424.6
  Top Layer 1 w8: v3(3658.89,3889.38) 3660.36,3890.84 3660.36,3905.59 3678.07,3923.3 3723.28,3923.3 4025.64,4225.66 4025.64,4261.56 v3(4029,4264.92) ; v2(3660,3120) 3660,3080 3630,3050 3630,2700 3680,2650 3720,2650 3749.27,2620.73 3749.27,2421.12 3750,2420.39 3750,2400 3787.05,2362.95 J9.B17@3787.05,2358.03 ; v1(4815,4676.5) 4818.5,4676.5 4828.9,4666.1 U12.22@4919.53,4666.1
  Bottom Layer 1 w8: v3(3658.89,3889.38) 3659.45,3888.82 3659.45,3120.55 v2(3660,3120) ; v3(4029,4264.92) 4027,4266.92 4027,4552.46 4084.76,4610.22 4314.76,4610.22 4372.54,4668 4787.19,4668 4792.7,4673.51 4812.01,4673.51 v1(4815,4676.5)
NetJ9_B18: J9.B18 U12.12 | length 4164.1
  Top Layer 1 w8: v2@3594,3115.31 3594,2674 3640,2628 3640,2386.97 J9.B18@3708.31,2318.66 ; v3(3603.52,3895) 3603.52,3946.84 3626.67,3970 3690,3970 3965.95,4245.95 3965.95,4264.62 v3(3967.75,4266.42) ; U12.12@4919.53,4862.95 4919.7,4863.13 4955.23,4863.13 4985,4892.9 v1(4985,4895)
  Bottom Layer 1 w8: v2(3586,3120) 3586,3124.23 3603.52,3141.74 v3(3603.52,3895) ; v3(3967.75,4266.42) 3967.75,4522.25 3780,4710 3780,4804.54 3814.46,4839 3892.23,4839 3921.23,4868 4090.23,4868 4138.66,4819.57 4843.06,4819.57 4888.49,4865 4955,4865 v1(4985,4895)
NetJ10_A12: J10.A12 U12.49 | length 3687
  Top Layer 1 w8: U12.49@5231.73,4314.53 5231.73,4264.64 5259,4237.37 5259,4137.52 5161.48,4040 5100.9,4040 4765.43,3704.54 4765.43,2311.21 4827.64,2249 5394,2249 5575,2430 5575,2507.82 J10.A12@5889.21,2822.03
NetJ10_A14: J10.A14 U12.81 | length 2778.7
  Top Layer 1 w8: U12.81@5760.47,4547.99 5847.88,4547.99 5895.47,4500.4 5895.47,4181.84 5608.63,3895 5440,3895 5343.06,3798.06 5343.06,3182.4 5364.4,3161.06 5364.4,2885 5384.78,2864.62 5415.98,2864.62 5565.6,2715 5703.3,2715 5889.07,2900.77 J10.A14@5889.21,2900.77
NetJ10_A15: J10.A15 U12.103 | length 2828.3
  Top Layer 1 w8: v1(5656.62,4854.8) 5656.62,4901.62 5708.92,4953.92 5708.92,4965.03 5724.77,4980.89 5760.3,4980.89 U12.103@5760.47,4981.06 ; J10.A15@5967.95,2940.14 6008.1,2900 6092.46,2900 6129.47,2862.99 6177.99,2862.99 6260.85,2945.85 6260.85,3144.15 6150,3255 6150,3285 6170,3305 6170,3476 6182.5,3488.5 6182.5,3842.5 6060,3965 6060,4594.36 6047.68,4606.68 v2(6047.68,4611.01)
  Bottom Layer 1 w8: v1(5656.62,4854.8) 5815.2,4854.8 5932.31,4737.69 5932.31,4730.4 6047.68,4615.03 v2(6047.68,4611.01)
NetJ10_A16: J10.A16 U12.82 | length 2791.5
  Top Layer 1 w8: v2(5405,3126.77) 5408.06,3129.83 5408.06,3137.52 5410,3139.45 5410,3790 5460.37,3840.37 5579.46,3840.37 5913.47,4174.38 5913.47,4507.86 5853.65,4567.68 U12.82@5760.47,4567.68
  Bottom Layer 1 w8: v2(5405,3126.77) 5500.88,3030.88 5500.88,2799.12 5570,2730 5750,2730 5840,2820 5840,2930.3 J10.A16@5889.21,2979.51
NetJ10_B16: J10.B16 U12.88 | length 2070.3
  Top Layer 1 w8: U12.88@5760.47,4685.79 5837.37,4685.79 5985.47,4537.68 5985.47,3290.02 5927.99,3232.53 5927.99,3005.42 5953.9,2979.51 J10.B16@6145.12,2979.51
NetJ10_B17: J10.B17 U12.89 | length 1930
  Top Layer 1 w8: U12.89@5760.47,4705.47 5843.14,4705.47 6003.47,4545.14 6003.47,3282.56 5945.99,3225.08 5945.99,3104.01 6031.12,3018.88 J10.B17@6066.38,3018.88
NetJ10_B18: J10.B18 U12.87 | length 1855.9
  Top Layer 1 w8: U12.87@5760.47,4666.1 5831.6,4666.1 5967.47,4530.23 5967.47,3308.79 v2(5945.01,3286.33) ; v2(6040,3210) 6070,3210 6145.12,3134.88 J10.B18@6145.12,3058.25
  Bottom Layer 1 w8: v2(5945.01,3286.33) 6021.34,3210 v2(6040,3210)
NetJ11_A12: J11.A12 U12.37 | length 2430.7
  Top Layer 1 w8: v2(4130,2775) 4130,2775.5 4118,2787.5 4118,3607.54 4600.46,4090 4960,4090 4995.51,4125.51 U12.37@4995.51,4314.53
  Bottom Layer 1 w8: v2(4130,2775) 4133.67,2775 4148.67,2760 4344.65,2760 J11.A12@4409.16,2824.52